# KiCad board Eclipse65.kicad_pcb (continued)
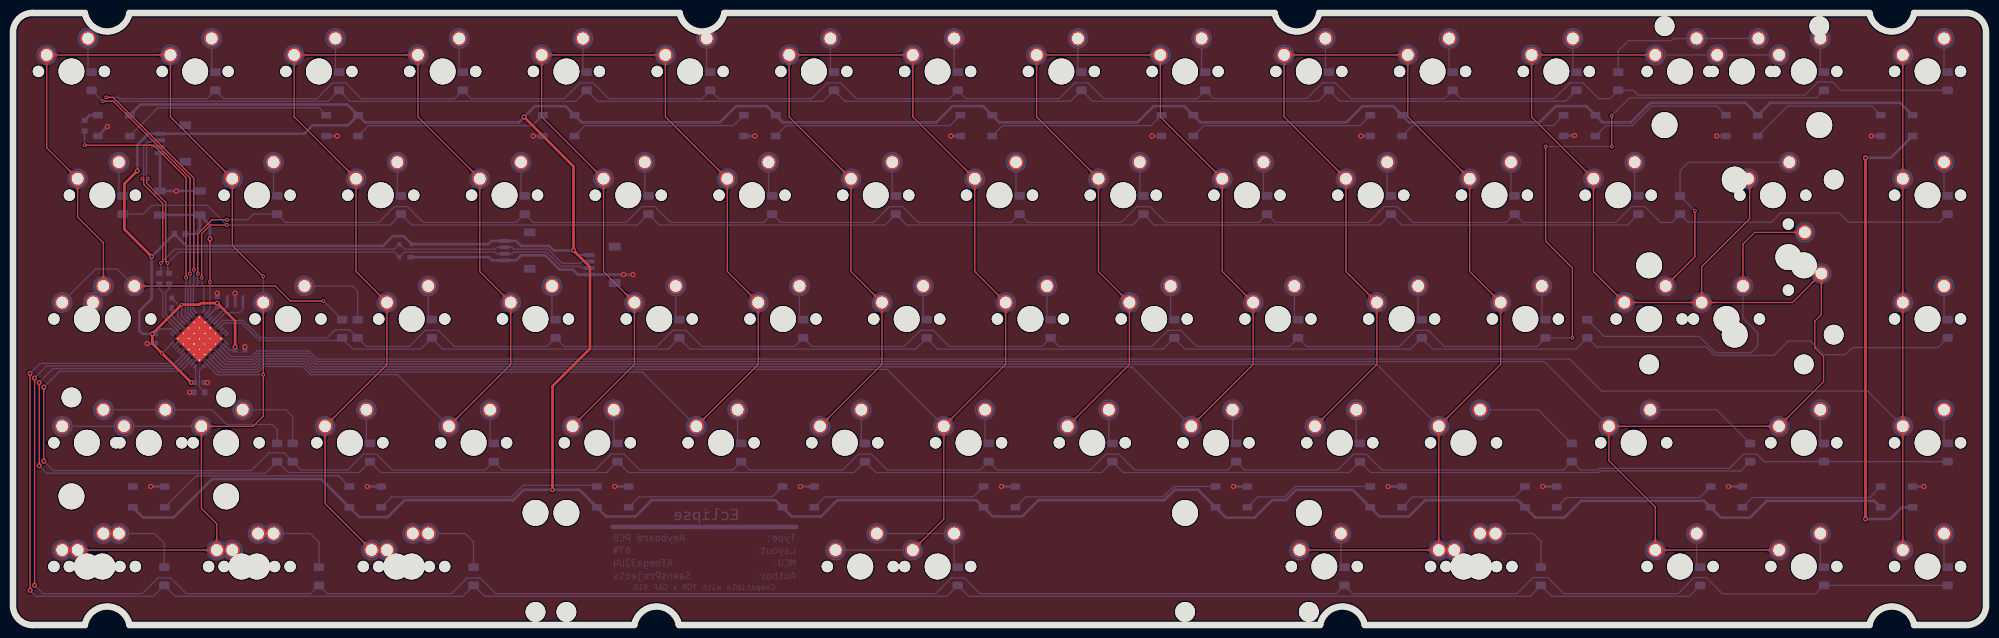
[diagram p0: board, top side]
## Copper pours and planes (outline as drawn; the poured copper is in the pictures) (continued)
Net-(D67-Pad2) on Bottom: 67.12,14.18 66.98,14.18 66.85,14.19 66.73,14.2 66.62,14.22 66.52,14.24 66.42,14.27 66.33,14.3 66.25,14.33 66.17,14.37 66.1,14.4 66.02,14.45 65.96,14.49 65.89,14.54 65.83,14.59 65.77,14.64 65.71,14.7 65.4,14.99 65.33,15.05 65.26,15.11 65.19,15.17 65.11,15.23 65.02,15.29 64.93,15.35 64.84,15.41 64.73,15.46 64.62,15.52 63.13,14.08 64.62,12.64 64.73,12.7 64.84,12.75 64.93,12.81 65.02,12.87 65.11,12.93 65.19,12.99 65.26,13.05 65.33,13.11 65.4,13.17 65.71,13.46 65.77,13.52 65.83,13.57 65.89,13.62 65.96,13.67 66.02,13.71 66.1,13.76 66.17,13.79 66.25,13.83 66.33,13.86 66.42,13.89 66.52,13.92 66.62,13.94 66.73,13.96 66.85,13.97 66.98,13.98 67.12,13.98
Net-(D67-Pad2) on Bottom: 66.32,14.18 66.22,14.18 66.12,14.19 66.03,14.2 65.95,14.21 65.87,14.22 65.8,14.24 65.73,14.26 65.67,14.29 65.61,14.31 65.55,14.34 65.5,14.37 65.45,14.41 65.4,14.44 65.35,14.48 64.92,14.86 64.87,14.9 64.81,14.95 64.75,14.99 64.68,15.03 64.61,15.08 64.53,15.12 64.45,15.16 63.33,14.08 64.45,13 64.53,13.04 64.61,13.08 64.68,13.13 64.75,13.17 64.81,13.21 64.87,13.26 64.92,13.3 65.35,13.68 65.4,13.72 65.45,13.75 65.5,13.79 65.55,13.82 65.61,13.85 65.67,13.87 65.73,13.9 65.8,13.92 65.87,13.94 65.95,13.95 66.03,13.96 66.12,13.97 66.22,13.98 66.32,13.98
Net-(D68-Pad2) on Bottom: 231.42,14.18 231.29,14.18 231.16,14.19 231.04,14.2 230.93,14.22 230.83,14.24 230.73,14.27 230.64,14.3 230.56,14.33 230.48,14.37 230.4,14.4 230.33,14.45 230.26,14.49 230.2,14.54 230.13,14.59 230.07,14.64 230.01,14.7 229.7,14.99 229.64,15.05 229.57,15.11 229.49,15.17 229.41,15.23 229.33,15.29 229.24,15.35 229.14,15.41 229.04,15.46 228.93,15.52 227.43,14.08 228.93,12.64 229.04,12.7 229.14,12.75 229.24,12.81 229.33,12.87 229.41,12.93 229.49,12.99 229.57,13.05 229.64,13.11 229.7,13.17 230.01,13.46 230.07,13.52 230.13,13.57 230.2,13.62 230.26,13.67 230.33,13.71 230.4,13.76 230.48,13.79 230.56,13.83 230.64,13.86 230.73,13.89 230.83,13.92 230.93,13.94 231.04,13.96 231.16,13.97 231.29,13.98 231.42,13.98
Net-(D68-Pad2) on Bottom: 230.62,14.18 230.52,14.18 230.43,14.19 230.34,14.2 230.26,14.21 230.18,14.22 230.11,14.24 230.04,14.26 229.97,14.29 229.92,14.31 229.86,14.34 229.81,14.37 229.75,14.41 229.71,14.44 229.66,14.48 229.23,14.86 229.17,14.9 229.12,14.95 229.05,14.99 228.99,15.03 228.91,15.08 228.84,15.12 228.76,15.16 227.63,14.08 228.76,13 228.84,13.04 228.91,13.08 228.99,13.13 229.05,13.17 229.12,13.21 229.17,13.26 229.23,13.3 229.66,13.68 229.71,13.72 229.75,13.75 229.81,13.79 229.86,13.82 229.92,13.85 229.97,13.87 230.04,13.9 230.11,13.92 230.18,13.94 230.26,13.95 230.34,13.96 230.43,13.97 230.52,13.98 230.62,13.98
Net-(D68-Pad2) on Bottom: 235.12,10.09 234.68,9.16 235.22,8.6 235.76,9.16 235.32,10.09
Net-(D69-Pad2) on Bottom: 144.99,11.69 144.99,11.79 145,11.89 145.01,11.98 145.02,12.06 145.03,12.14 145.05,12.21 145.07,12.28 145.1,12.34 145.12,12.4 145.15,12.45 145.18,12.51 145.22,12.56 145.25,12.61 145.29,12.66 145.67,13.08 145.71,13.14 145.76,13.2 145.8,13.26 145.84,13.33 145.89,13.4 145.93,13.48 145.97,13.56 144.89,14.68 143.81,13.56 143.85,13.48 143.89,13.4 143.94,13.33 143.98,13.26 144.02,13.2 144.07,13.14 144.11,13.08 144.49,12.66 144.53,12.61 144.56,12.56 144.6,12.51 144.63,12.45 144.66,12.4 144.68,12.34 144.71,12.28 144.73,12.21 144.75,12.14 144.76,12.06 144.77,11.98 144.78,11.89 144.79,11.79 144.79,11.69
Net-(D69-Pad2) on Bottom: 144.99,10.89 144.99,11.03 145,11.15 145.01,11.27 145.03,11.38 145.05,11.49 145.08,11.58 145.11,11.67 145.14,11.76 145.18,11.84 145.21,11.91 145.26,11.98 145.3,12.05 145.35,12.12 145.4,12.18 145.45,12.24 145.51,12.3 145.8,12.61 145.86,12.68 145.92,12.75 145.98,12.82 146.04,12.9 146.1,12.99 146.16,13.07 146.22,13.17 146.27,13.27 146.33,13.38 144.89,14.88 143.45,13.38 143.51,13.27 143.56,13.17 143.62,13.07 143.68,12.99 143.74,12.9 143.8,12.82 143.86,12.75 143.92,12.68 143.98,12.61 144.27,12.3 144.33,12.24 144.38,12.18 144.43,12.12 144.48,12.05 144.52,11.98 144.57,11.91 144.6,11.84 144.64,11.76 144.67,11.67 144.7,11.58 144.73,11.49 144.75,11.38 144.77,11.27 144.78,11.15 144.79,11.03 144.79,10.89
Net-(D69-Pad2) on Bottom: 135.37,14.18 135.27,14.18 135.18,14.19 135.09,14.2 135.01,14.21 134.93,14.22 134.86,14.24 134.79,14.26 134.72,14.29 134.67,14.31 134.61,14.34 134.56,14.37 134.5,14.41 134.46,14.44 134.41,14.48 133.98,14.86 133.92,14.9 133.87,14.95 133.8,14.99 133.74,15.03 133.66,15.08 133.59,15.12 133.51,15.16 132.38,14.08 133.51,13 133.59,13.04 133.66,13.08 133.74,13.13 133.8,13.17 133.87,13.21 133.92,13.26 133.98,13.3 134.41,13.68 134.46,13.72 134.5,13.75 134.56,13.79 134.61,13.82 134.67,13.85 134.72,13.87 134.79,13.9 134.86,13.92 134.93,13.94 135.01,13.95 135.09,13.96 135.18,13.97 135.27,13.98 135.37,13.98
Net-(D69-Pad2) on Bottom: 136.17,14.18 136.04,14.18 135.91,14.19 135.79,14.2 135.68,14.22 135.58,14.24 135.48,14.27 135.39,14.3 135.31,14.33 135.23,14.37 135.15,14.4 135.08,14.45 135.01,14.49 134.95,14.54 134.88,14.59 134.82,14.64 134.76,14.7 134.45,14.99 134.39,15.05 134.32,15.11 134.24,15.17 134.16,15.23 134.08,15.29 133.99,15.35 133.89,15.41 133.79,15.46 133.68,15.52 132.18,14.08 133.68,12.64 133.79,12.7 133.89,12.75 133.99,12.81 134.08,12.87 134.16,12.93 134.24,12.99 134.32,13.05 134.39,13.11 134.45,13.17 134.76,13.46 134.82,13.52 134.88,13.57 134.95,13.62 135.01,13.67 135.08,13.71 135.15,13.76 135.23,13.79 135.31,13.83 135.39,13.86 135.48,13.89 135.58,13.92 135.68,13.94 135.79,13.96 135.91,13.97 136.04,13.98 136.17,13.98
Net-(D69-Pad2) on Bottom: 142.5,13.98 142.6,13.98 142.7,13.97 142.79,13.96 142.87,13.95 142.95,13.94 143.02,13.92 143.09,13.9 143.15,13.87 143.21,13.85 143.26,13.82 143.32,13.79 143.37,13.75 143.42,13.72 143.47,13.68 143.89,13.3 143.95,13.26 144.01,13.21 144.07,13.17 144.14,13.13 144.21,13.08 144.29,13.04 144.37,13 145.49,14.08 144.37,15.16 144.29,15.12 144.21,15.08 144.14,15.03 144.07,14.99 144.01,14.95 143.95,14.9 143.89,14.86 143.47,14.48 143.42,14.44 143.37,14.41 143.32,14.37 143.26,14.34 143.21,14.31 143.15,14.29 143.09,14.26 143.02,14.24 142.95,14.22 142.87,14.21 142.79,14.2 142.7,14.19 142.6,14.18 142.5,14.18
Net-(D69-Pad2) on Bottom: 141.7,13.98 141.84,13.98 141.96,13.97 142.08,13.96 142.19,13.94 142.3,13.92 142.39,13.89 142.48,13.86 142.57,13.83 142.65,13.79 142.72,13.76 142.79,13.71 142.86,13.67 142.93,13.62 142.99,13.57 143.05,13.52 143.11,13.46 143.42,13.17 143.49,13.11 143.56,13.05 143.63,12.99 143.71,12.93 143.8,12.87 143.88,12.81 143.98,12.75 144.08,12.7 144.19,12.64 145.69,14.08 144.19,15.52 144.08,15.46 143.98,15.41 143.88,15.35 143.8,15.29 143.71,15.23 143.63,15.17 143.56,15.11 143.49,15.05 143.42,14.99 143.11,14.7 143.05,14.64 142.99,14.59 142.93,14.54 142.86,14.49 142.79,14.45 142.72,14.4 142.65,14.37 142.57,14.33 142.48,14.3 142.39,14.27 142.3,14.24 142.19,14.22 142.08,14.2 141.96,14.19 141.84,14.18 141.7,14.18
Net-(D71-Pad2) on Bottom: 259.29,10.89 259.29,11.03 259.3,11.15 259.31,11.27 259.33,11.38 259.35,11.49 259.38,11.58 259.41,11.67 259.44,11.76 259.48,11.84 259.51,11.91 259.56,11.98 259.6,12.05 259.65,12.12 259.7,12.18 259.75,12.24 259.81,12.3 260.1,12.61 260.16,12.68 260.22,12.75 260.28,12.82 260.34,12.9 260.4,12.99 260.46,13.07 260.52,13.17 260.57,13.27 260.63,13.38 259.19,14.88 257.75,13.38 257.81,13.27 257.86,13.17 257.92,13.07 257.98,12.99 258.04,12.9 258.1,12.82 258.16,12.75 258.22,12.68 258.28,12.61 258.57,12.3 258.63,12.24 258.68,12.18 258.73,12.12 258.78,12.05 258.82,11.98 258.87,11.91 258.9,11.84 258.94,11.76 258.97,11.67 259,11.58 259.03,11.49 259.05,11.38 259.07,11.27 259.08,11.15 259.09,11.03 259.09,10.89
Net-(D71-Pad2) on Bottom: 259.29,11.69 259.29,11.79 259.3,11.89 259.31,11.98 259.32,12.06 259.33,12.14 259.35,12.21 259.37,12.28 259.4,12.34 259.42,12.4 259.45,12.45 259.48,12.51 259.52,12.56 259.55,12.61 259.59,12.66 259.97,13.08 260.01,13.14 260.06,13.2 260.1,13.26 260.14,13.33 260.19,13.4 260.23,13.48 260.27,13.56 259.19,14.68 258.11,13.56 258.15,13.48 258.19,13.4 258.24,13.33 258.28,13.26 258.32,13.2 258.37,13.14 258.41,13.08 258.79,12.66 258.83,12.61 258.86,12.56 258.9,12.51 258.93,12.45 258.96,12.4 258.98,12.34 259.01,12.28 259.03,12.21 259.05,12.14 259.06,12.06 259.07,11.98 259.08,11.89 259.09,11.79 259.09,11.69
Net-(D72-Pad2) on Bottom: 278.34,11.69 278.34,11.79 278.35,11.89 278.36,11.98 278.37,12.06 278.38,12.14 278.4,12.21 278.42,12.28 278.45,12.34 278.47,12.4 278.5,12.45 278.53,12.51 278.57,12.56 278.6,12.61 278.64,12.66 279.02,13.08 279.06,13.14 279.11,13.2 279.15,13.26 279.19,13.33 279.24,13.4 279.28,13.48 279.32,13.56 278.24,14.68 277.16,13.56 277.2,13.48 277.24,13.4 277.29,13.33 277.33,13.26 277.37,13.2 277.42,13.14 277.46,13.08 277.84,12.66 277.88,12.61 277.91,12.56 277.95,12.51 277.98,12.45 278.01,12.4 278.03,12.34 278.06,12.28 278.08,12.21 278.1,12.14 278.11,12.06 278.12,11.98 278.13,11.89 278.14,11.79 278.14,11.69
Net-(D72-Pad2) on Bottom: 278.34,10.89 278.34,11.03 278.35,11.15 278.36,11.27 278.38,11.38 278.4,11.49 278.43,11.58 278.46,11.67 278.49,11.76 278.53,11.84 278.56,11.91 278.61,11.98 278.65,12.05 278.7,12.12 278.75,12.18 278.8,12.24 278.86,12.3 279.15,12.61 279.21,12.68 279.27,12.75 279.33,12.82 279.39,12.9 279.45,12.99 279.51,13.07 279.57,13.17 279.62,13.27 279.68,13.38 278.24,14.88 276.8,13.38 276.86,13.27 276.91,13.17 276.97,13.07 277.03,12.99 277.09,12.9 277.15,12.82 277.21,12.75 277.27,12.68 277.33,12.61 277.62,12.3 277.68,12.24 277.73,12.18 277.78,12.12 277.83,12.05 277.87,11.98 277.92,11.91 277.95,11.84 277.99,11.76 278.02,11.67 278.05,11.58 278.08,11.49 278.1,11.38 278.12,11.27 278.13,11.15 278.14,11.03 278.14,10.89
Net-(R4-Pad2) on Bottom: 29.68,62.48 29.29,63.29 28.57,63.3 28.59,62.59 29.4,62.2
Net-(R4-Pad2) on Bottom: 28.97,62.02 29.26,62.87 28.77,63.38 28.27,62.87 28.57,62.02
Net-(R4-Pad2) on Bottom: 23.66,63.31 22.81,63.6 22.29,63.11 22.81,62.61 23.66,62.91
Net-(R4-Pad2) on Bottom: 27.68,62.91 28.53,62.61 29.04,63.11 28.53,63.6 27.68,63.31
Net-(RGB14-Pad4) on Bottom: 184.15,21.22 184.93,20.87 185.39,21.32 184.93,21.77 184.15,21.42
Net-(RGB15-Pad4) on Bottom: 207.97,21.22 208.74,20.87 209.21,21.32 208.74,21.77 207.97,21.42
Net-(RGB19-Pad2) on Bottom: 291.88,74.42 292.6,74.79 292.61,75.44 291.97,75.43 291.6,74.71
Net-(RGB19-Pad2) on Bottom: 291.45,17.92 292.22,17.67 292.69,18.12 292.22,18.57 291.45,18.32

Small or netless copper shapes (teardrops, artwork), in the pictures only: 51 on Top, 270 on Bottom
